# Altium PCB FlatSat Half 2.PcbDoc (part 8 of 9) (continued)
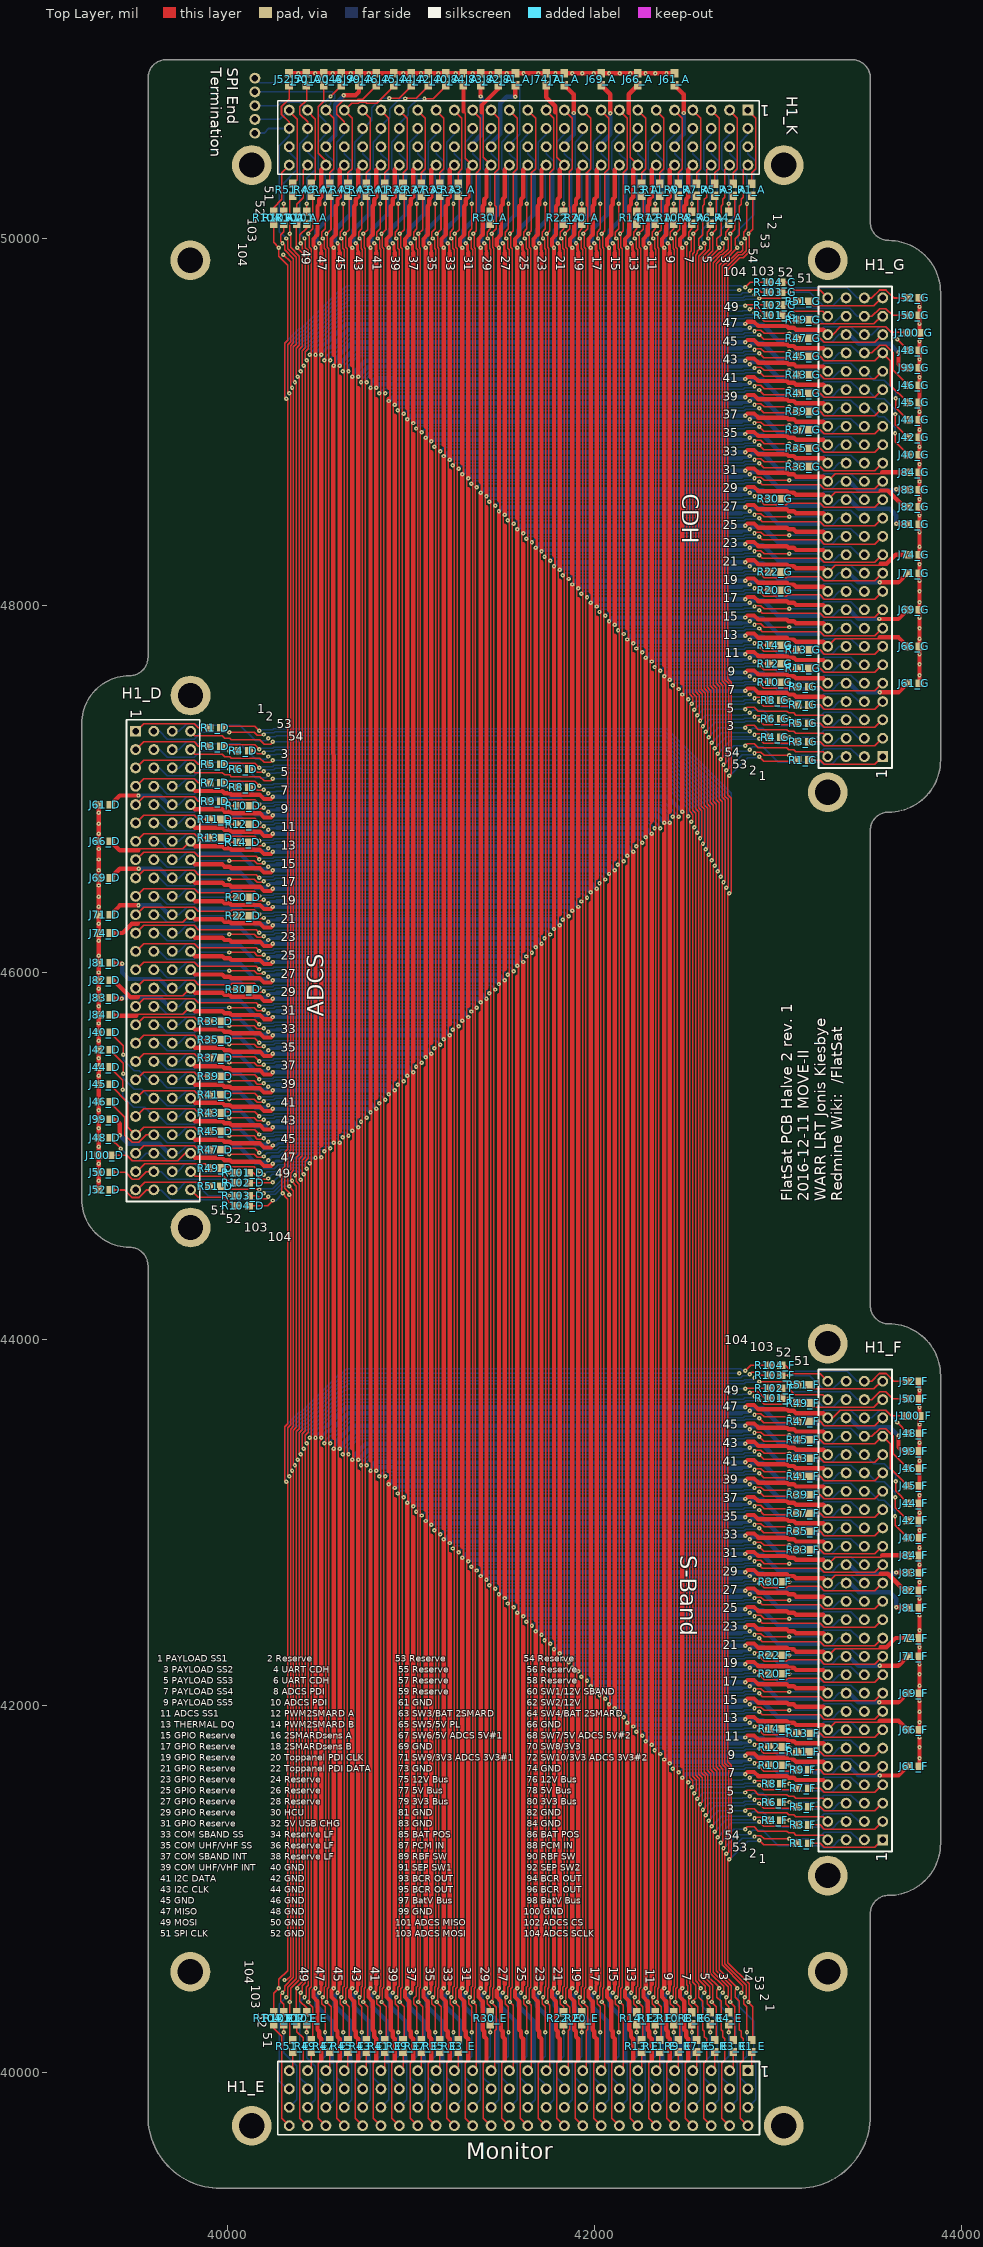
[diagram p0: Top Layer view]
## Nets (pads, with @x,y where several pads share a name; then routed paths per layer and width w, separated by ;. In a path a pad name is that pad's centre, name@x,y a point inside that pad or via, vN(x,y) a via of type N, cw(c..) or ccw(c..) an arc to the next point about the centre after c; other vN are vias at no path point) (continued)
NetH1_G_22: H1_G.22 R22_G.1 | length 486.5
  Top Layer w8: R22_G.1@43018.81,48181 v1(43062,48181)
  Bottom Layer w8: v1(43062,48181) 43216,48181 43252.47,48217.47 43398.53,48217.47 43440,48176 H1_G.22@43473,48176
NetH1_G_30: H1_G.30 R30_G.1 | length 486.5
  Top Layer w8: R30_G.1@43018.81,48581 v1(43062,48581)
  Bottom Layer w8: v1(43062,48581) 43216,48581 43252.47,48617.47 43398.53,48617.47 43440,48576 H1_G.30@43473,48576
NetH1_G_33: H1_G.33 R33_G.2 | length 427
  Top Layer w8: R33_G.2@43170.48,48756 43230.38,48756 43252.9,48733.47 43527.99,48733.47 H1_G.33@43570.52,48776
NetH1_G_35: H1_G.35 R35_G.1 | length 427
  Top Layer w8: R35_G.1@43170.48,48856 43230.38,48856 43252.9,48833.47 43527.99,48833.47 H1_G.35@43570.52,48876
NetH1_G_37: H1_G.37 R37_G.2 | length 427
  Top Layer w8: R37_G.2@43170.48,48956 43230.38,48956 43252.9,48933.47 43527.99,48933.47 H1_G.37@43570.52,48976
NetH1_G_39: H1_G.39 R39_G.2 | length 427
  Top Layer w8: R39_G.2@43170.48,49056 43230.38,49056 43252.9,49033.47 43527.99,49033.47 H1_G.39@43570.52,49076
NetH1_G_41: H1_G.41 R41_G.2 | length 427
  Top Layer w8: R41_G.2@43170.48,49156 43230.38,49156 43252.9,49133.47 43527.99,49133.47 H1_G.41@43570.52,49176
NetH1_G_43: H1_G.43 R43_G.2 | length 427
  Top Layer w8: R43_G.2@43170.48,49256 43230.38,49256 43252.9,49233.47 43527.99,49233.47 H1_G.43@43570.52,49276
NetH1_G_45: H1_G.45 J45_G.1 R45_G.2 | length 752.4
  Top Layer w8: R45_G.2@43170.48,49356 43230.38,49356 43252.9,49333.47 43527.99,49333.47 H1_G.45@43570.52,49376 ; H1_G.45@43572,49375 43613.53,49333.47 43613.53,49199.68 J45_G.1@43707.52,49105.69
NetH1_G_47: H1_G.47 R47_G.2 | length 427
  Top Layer w8: R47_G.2@43170.48,49456 43230.38,49456 43252.9,49433.47 43527.99,49433.47 H1_G.47@43570.52,49476
NetH1_G_49: H1_G.49 R49_G.2 | length 427
  Top Layer w8: R49_G.2@43170.48,49556 43193.01,49533.47 43523.05,49533.47 43565.57,49576 H1_G.49@43570.52,49576
NetH1_G_51: H1_G.51 R51_G.2 | length 427
  Top Layer w8: R51_G.2@43170.48,49656 43193.01,49633.47 43523.05,49633.47 43565.57,49676 H1_G.51@43570.52,49676
NetH1_G_101: H1_G.101 R101_G.1 | length 393.3
  Top Layer w8: R101_G.1@43010.48,49581 43048,49581 ; R101_G.1@43023.81,49581.33 R101_G.1@43033.81,49581.33
  Bottom Layer w8: v1(43062,49581) 43202,49581 43249.53,49533.47 43300.47,49533.47 43343,49576 H1_G.101@43370.52,49576
NetH1_G_102: H1_G.102 R102_G.2 | length 261.7
  Top Layer w8: R102_G.2@43033.81,49636.33 43034.14,49636 43056,49636 43091,49601 43245.52,49601 H1_G.102@43270.52,49576
NetH1_G_103: H1_G.103 R103_G.2 | length 383.7
  Top Layer w8: R103_G.2@43028,49706 R103_G.2@43038,49706 ; R103_G.2@43033.81,49706.33 v1@43051.33,49706.33
  Bottom Layer w8: v1(43062,49706) 43175,49706 43247.53,49633.47 43300.47,49633.47 43343,49676 H1_G.103@43370.52,49676
NetH1_G_104: H1_G.104 R104_G.1 | length 270.3
  Top Layer w8: R104_G.1@43040.94,49766 43046.46,49760.48 43045.52,49760.48 ; 43044.66,49760.48 43045.52,49760.48 ; 43045,49761 43045.52,49760.48 ; H1_G.104@43270.52,49676 43230.58,49715.94 43090.06,49715.94 43045.52,49760.48
PAYLOAD_SS1: R1_A.1 R1_D.1 R1_E.1 R1_F.1 R1_G.1 | length 14600.6
  Top Layer w8: R1_D.1@39965.48,47332 39965.48,47339.67 40148.33,47339.67 v1(40173,47315) ; R1_E.1@42857,40178.48 42864.67,40178.48 42864.67,40361.33 v1(42840,40386) 42840,40395 42845,40400 42845,40484.25 42728,40601.25 42728,41157 v1(42736,41165) 42747.25,41176.25 42747.25,41675.84 42728,41695.1 42728,46422 v1(42736,46430) 42745,46439 42745,46949 42728,46966 42728,47062 v1(42736,47070) 42747.25,47081.25 42747.25,47580.84 42728,47600.1 42728,49827.29 42793.71,49893 42812.25,49893 42845,49925.75 42845,50010 42840,50015 v1(42840,50024) 42864.67,50048.67 42864.67,50231.52 R1_A.1@42857,50231.52 ; v1(42898,41268) 42922.67,41243.33 43105.52,41243.33 R1_F.1@43105.52,41251 ; v1(42898,47173) 42922.67,47148.33 43105.52,47148.33 R1_G.1@43105.52,47156
  Bottom Layer w8: v1(40173,47315) 40182,47315 40187,47320 40245.78,47320 40252.78,47327 42393.63,47327 42745,46975.63 42745,46440 v1@42735,46430 ; v1@42738,41165 42836,41263 42884,41263 42889,41268 v1(42898,41268) ; v1@42738,47070 42836,47168 42884,47168 42889,47173 v1(42898,47173)
PAYLOAD_SS2: R3_A.1 R3_D.1 R3_E.1 R3_F.1 R3_G.1 | length 14437
  Top Layer w8: R3_D.1@39965.48,47232 39965.48,47239.67 40148.33,47239.67 v1(40173,47215) ; R3_E.1@42757,40178.48 42764.67,40178.48 42764.67,40361.33 v1(42740,40386) 42740,40395 42745,40400 42745,40475.2 42664,40556.2 42664,41277 v1(42672,41285) 42683.25,41296.25 42683.25,41649.33 42664,41668.59 42664,46542 v1(42672,46550) 42681,46559 42681,46922.49 42664,46939.49 42664,47182 v1(42672,47190) 42683.25,47201.25 42683.25,47554.33 42664,47573.59 42664,49860.49 42696.51,49893 42703.2,49893 42745,49934.8 42745,50010 42740,50015 v1(42740,50024) 42764.67,50048.67 42764.67,50231.52 R3_A.1@42757,50231.52 ; v1(42898,41368) 42922.67,41343.33 43105.52,41343.33 R3_F.1@43105.52,41351 ; v1(42898,47273) 42922.67,47248.33 43105.52,47248.33 R3_G.1@43105.52,47256
  Bottom Layer w8: v1(40173,47215) 40182,47215 40187,47220 40245.78,47220 40252.78,47227 42402.27,47227 42680,46949.27 42680,46582 ; v1@42671,46548 42671,46561.06 42680,46570.06 42680,46580 ; v1(42672,41285) 42750,41363 42884,41363 42889,41368 v1(42898,41368) ; v1(42672,47190) 42750,47268 42884,47268 42889,47273 v1(42898,47273)
PAYLOAD_SS3: R5_A.1 R5_D.1 R5_E.1 R5_F.1 R5_G.1 | length 14272.3
  Top Layer w8: R5_D.1@39965.48,47132 39965.48,47139.67 40148.33,47139.67 v1(40173,47115) ; R5_E.1@42657,40178.48 42664.67,40178.48 42664.67,40361.33 v1(42640,40386) 42640,40395 42645,40400 42645,40478 42600,40523 42600,41397 v1(42608,41405) 42619.25,41416.25 42619.25,41622.82 42600,41642.08 42600,46662 v1(42608,46670) 42617,46679 42617,46893.37 42600,46910.37 42600,47302 v1(42608,47310) 42619.25,47321.25 42619.25,47527.82 42600,47547.08 42600,49887 42645,49932 42645,50010 42640,50015 v1(42640,50024) 42664.67,50048.67 42664.67,50231.52 R5_A.1@42657,50231.52 ; v1(42898,41468) 42922.67,41443.33 43105.52,41443.33 R5_F.1@43105.52,41451 ; v1(42898,47373) 42922.67,47348.33 43105.52,47348.33 R5_G.1@43105.52,47356
  Bottom Layer w8: v1(40173,47115) 40182,47115 40187,47120 40245.78,47120 40252.78,47127 42411.76,47127 42616,46922.76 42616,46690.06 42608,46682.06 v1@42608,46671 ; v1(42608,41405) 42659,41456 42818.22,41456 42825.22,41463 42884,41463 42889,41468 v1(42898,41468) ; v1(42608,47310) 42659,47361 42818.22,47361 42825.22,47368 42884,47368 42889,47373 v1(42898,47373)
PAYLOAD_SS4: R7_A.1 R7_D.1 R7_E.1 R7_F.1 R7_G.1 | length 14138.5
  Top Layer w8: R7_D.1@39965.48,47032 39965.48,47039.67 40148.33,47039.67 v1(40173,47015) ; v1@42543,50031.18 v1@42543,50027 ; R7_E.1@42557,40178.48 42564.67,40178.48 42564.67,40361.33 v1(42540,40386) 42540,40395 42552,40407 42552,40478 42536,40494 42536,41517 v1(42544,41525) 42555.25,41536.25 42555.25,41596.31 42536,41615.57 42536,46782 v1(42544,46790) 42553,46799 42553,46865.57 42536,46882.57 42536,47422 v1(42544,47430) 42555.25,47441.25 42555.25,47501.31 42536,47520.57 42536,49915 42545,49924 42545,50010 42543,50012 ; R7_A.1@42557,50231.52 42564.67,50231.52 42564.67,50048.67 v1@42543,50027 ; v1(42898,41568) 42922.67,41543.33 43105.52,41543.33 R7_F.1@43105.52,41551 ; v1(42898,47473) 42922.67,47448.33 43105.52,47448.33 R7_G.1@43105.52,47456 ; 42543,50012 v1@42543,50027 ; 42543,50012 42540,50015 v1(42540,50024) v1@42543,50027
  Bottom Layer w8: v1(40173,47015) 40182,47015 40187,47020 40245.78,47020 40252.78,47027 42421.25,47027 42552,46896.25 42552,46799 v1@42543,46790 ; v1@42544,41526 42574,41556 42818.22,41556 42825.22,41563 42884,41563 42889,41568 v1(42898,41568) ; v1@42544,47431 42574,47461 42818.22,47461 42825.22,47468 42884,47468 42889,47473 v1(42898,47473)
PAYLOAD_SS5: R9_A.1 R9_D.1 R9_E.1 R9_F.1 R9_G.1 | length 14000.6
  Top Layer w8: R9_D.1@39965.48,46932 39965.48,46939.67 40148.33,46939.67 v1(40173,46915) ; R9_E.1@42457,40178.48 42464.67,40178.48 42464.67,40361.33 v1(42440,40386) 42440,40395 42445,40400 42445,40458.78 42452,40465.78 42452,49944.22 42445,49951.22 42445,50010 42440,50015 v1(42440,50024) 42464.67,50048.67 42464.67,50231.52 R9_A.1@42459,50231.52 ; R9_A.1@42457,50231.52 R9_A.1@42459,50231.52 ; R9_A.1@42459,50231.04 R9_A.1@42459,50231.52 ; v1(42898,41668) 42922.67,41643.33 43105.52,41643.33 R9_F.1@43105.52,41651 ; v1(42898,47573) 42922.67,47548.33 43105.52,47548.33 R9_G.1@43105.52,47556
  Bottom Layer w8: v1(40173,46915) 40182,46915 40187,46920 40245.78,46920 40252.78,46927 42382,46927 v1@42460,46849 ; v1(42460,41638) 42478,41656 42818.22,41656 42825.22,41663 42884,41663 42889,41668 v1(42898,41668) ; v1(42460,47543) 42478,47561 42818.22,47561 42825.22,47568 42884,47568 42889,47573 v1(42898,47573)
  other v1: 42460,46847
PCM_IN_1: H1_D.87 H1_E.87 H1_F.87 H1_G.87 H1_K.87 | length 16983.1
  Top Layer w8: 41112,42928 41104,42936 41104,42980 v1(41112,42988) ; v1(41112,45555) 41104,45563 41104,45607 41112,45615 ; 41112,48833 41104,48841 41104,48885 v1(41112,48893)
  Top Layer w16: v1(41100,40436) 41109,40445 41109,40475 41112,40478 41112,40483 ; v1(41100,49974) 41109,49965 41109,49935 41112,49932 41112,49927
  Top Layer w24: 41112,40483 41112,42928 ; v1(41112,42988) v1(41112,45555) ; 41112,45615 41112,48833 ; v1(41112,48893) 41112,49922
  Bottom Layer w8: H1_D.87@39698,45612 39735,45612 39777.53,45654.53 39823.47,45654.53 39833,45645 39848,45645 ; H1_E.87@41137,39812 41178.53,39853.53 41178.53,40052.47 41170,40061 ; H1_K.87@41137,50499 41137,50462 41178.53,50420.47 41178.53,50372.53 41170,50364 41170,50349 ; 43223,42938 43238,42938 43247.53,42928.47 43293.47,42928.47 43336,42971 H1_F.87@43373,42971 ; 43223,48843 43238,48843 43247.53,48833.47 43293.47,48833.47 43336,48876 H1_G.87@43373,48876
  Bottom Layer w16: v1(40223,45575) 40232,45584 40262,45584 ; 40265,45587 40270,45587 ; 42801,42996 42806,42996 ; 42801,48901 42806,48901 ; 42809,42999 42839,42999 v1(42848,43008) ; 42809,48904 42839,48904 v1(42848,48913)
  Bottom Layer w22: 40208,45560 v1(40223,45575) ; 41085,40421 v1(41100,40436) ; 41085,49989 v1(41100,49974) ; v1(42848,43008) 42863,43023 ; v1(42848,48913) 42863,48928
  Bottom Layer w24: 39848,45645 40068,45645 40153,45560 40208,45560 ; 40270,45587 41080,45587 v1(41112,45555) ; 41085,40421 41085,40366 41170,40281 41170,40061 ; 41085,49989 41085,50044 41170,50129 41170,50349 ; v1(41112,42988) 41120,42996 42801,42996 ; v1(41112,48893) 41120,48901 42801,48901 ; 42863,43023 42918,43023 43003,42938 43223,42938 ; 42863,48928 42918,48928 43003,48843 43223,48843
PCM_IN_2: H1_D.88 H1_E.88 H1_F.88 H1_G.88 H1_K.88 | length 16538
  Top Layer w8: 41112,40069 41095.47,40052.47 41095.47,39753.53 H1_E.88@41137,39712
  Top Layer w12: v1@41080,43009 41086,43015 41086,43062 41080,43068 ; 41080,45475 41086,45481 41086,45529 v1(41080,45535) ; v1@41080,48914 41086,48920 41086,48967 41080,48973
  Top Layer w22: 40177,45566 40200,45543 40236.25,45543 v1@40248.13,45554.87 ; v1@41079.87,40461.13 41068,40449.25 41068,40413 41091,40390 ; v1@41079.87,49948.87 41068,49960.75 41068,49997 41091,50020 ; v1(41080,43008) v1@41080,43009 ; v1(41080,48913) v1@41080,48914 ; 42834.75,43040 42871,43040 42894,43017 ; 42834.75,48945 42871,48945 42894,48922
  Top Layer w24: H1_D.88@39798,45612 39823,45587 39972,45587 39984,45575 40012.6,45575 40021.6,45566 40177,45566 ; v1(41080,40461) v1(41080,43008) ; 41080,43068 41080,45475 ; v1(41080,45535) v1(41080,48913) ; 41080,48973 v1@41080,49944 ; 41091,40390 41091,40234.6 41100,40225.6 41100,40197 41112,40185 41112,40069 ; 41091,50020 41091,50175.4 41100,50184.4 41100,50213 41112,50225 41112,50374 H1_K.88@41137,50399 ; 42894,43017 43049.4,43017 43058.4,43008 43087,43008 43099,42996 43248,42996 H1_F.88@43273,42971 ; 42894,48922 43049.4,48922 43058.4,48913 43087,48913 43099,48901 43248,48901 H1_G.88@43273,48876
  Bottom Layer w24: v1(40248,45555) 41060,45555 v1(41080,45535) ; v1(41080,43008) 41100,43028 v1(42823,43028) ; v1(41080,48913) 41100,48933 v1(42823,48933)
  other v1: 41080,49949
PWM2SMARD_A: R12_A.2 R12_D.2 R12_E.2 R12_F.2 R12_G.2 | length 13314.3
  Top Layer w8: R12_D.2@40117.15,46807 R12_D.2@40117.48,46807 40146,46807 40163,46790 40193,46790 v1(40198,46795) ; R12_E.2@42332,40330.15 R12_E.2@42332,40330.48 42332,40359 42315,40376 42315,40406 v1(42320,40411) 42329,40420 42329,40465.41 42336,40472.41 42336,49937.59 42329,49944.59 42329,49990 v1(42320,49999) 42315,50004 42315,50034 42332,50051 R12_A.2@42332,50079.52 R12_A.2@42332,50079.85 ; v1(42873,41788) 42878,41793 42908,41793 42925,41776 R12_F.2@42953.52,41776 R12_F.2@42953.85,41776 ; v1(42873,47693) 42878,47698 42908,47698 42925,47681 R12_G.2@42953.52,47681 R12_G.2@42953.85,47681
  Bottom Layer w8: v1(40198,46795) 40207,46804 40252.41,46804 40259.41,46811 42303,46811 v1@42329,46785 ; v1(42328,41758) 42342,41772 42811.59,41772 42818.59,41779 42864,41779 v1(42873,41788) ; v1(42328,47663) 42342,47677 42811.59,47677 42818.59,47684 42864,47684 v1(42873,47693)
  other v1: 42328,46785
PWM2SMARD_B: R14_A.2 R14_D.2 R14_E.2 R14_F.2 R14_G.2 | length 13410.5
  Top Layer w8: R14_D.2@40117.15,46707 40146,46707 40163,46690 40193,46690 v1(40198,46695) ; R14_E.2@42232,40330.15 42232,40359 42215,40376 42215,40406 v1(42220,40411) 42229,40420 42229,40465.41 42236,40472.41 42236,49937.59 42229,49944.59 42229,49990 v1(42220,49999) 42215,50004 42215,50034 42232,50051 R14_A.2@42232,50079.85 ; v1(42873,41888) 42878,41893 42908,41893 42925,41876 R14_F.2@42953.85,41876 ; v1(42873,47793) 42878,47798 42908,47798 42925,47781 R14_G.2@42953.85,47781
  Bottom Layer w8: v1(40198,46695) 40207,46704 40252.41,46704 40259.41,46711 42202,46711 v1(42228,46685) ; v1(42229,41859) 42242,41872 42811.59,41872 42818.59,41879 42864,41879 v1(42873,41888) ; v1(42229,47764) 42242,47777 42811.59,47777 42818.59,47784 42864,47784 v1(42873,47793)
RBF_SW_1: H1_D.89 H1_E.89 H1_F.89 H1_G.89 H1_K.89 | length 17083.1
  Top Layer w8: 41012,43028 41004,43036 41004,43080 v1(41012,43088) ; v1(41012,45455) 41004,45463 41004,45507 41012,45515 ; 41012,48933 41004,48941 41004,48985 v1(41012,48993)
  Top Layer w16: v1(41000,40436) 41009,40445 41009,40475 41012,40478 41012,40483 ; v1(41000,49974) 41009,49965 41009,49935 41012,49932 41012,49927
  Top Layer w24: 41012,40483 41012,43028 ; v1(41012,43088) v1(41012,45455) ; 41012,45515 41012,48933 ; v1(41012,48993) 41012,49922
  Bottom Layer w8: H1_D.89@39698,45512 39735,45512 39777.53,45554.53 39823.47,45554.53 39833,45545 39848,45545 ; H1_E.89@41037,39812 41078.53,39853.53 41078.53,40052.47 41070,40061 ; H1_K.89@41037,50499 41037,50462 41078.53,50420.47 41078.53,50372.53 41070,50364 41070,50349 ; 43223,43038 43238,43038 43247.53,43028.47 43293.47,43028.47 43336,43071 H1_F.89@43373,43071 ; 43223,48943 43238,48943 43247.53,48933.47 43293.47,48933.47 43336,48976 H1_G.89@43373,48976
  Bottom Layer w16: v1(40223,45475) 40232,45484 40262,45484 ; 40265,45487 40270,45487 ; 42801,43096 42806,43096 ; 42801,49001 42806,49001 ; 42809,43099 42839,43099 v1(42848,43108) ; 42809,49004 42839,49004 v1(42848,49013)
  Bottom Layer w22: 40208,45460 v1(40223,45475) ; 40985,40421 v1(41000,40436) ; 40985,49989 v1(41000,49974) ; v1(42848,43108) 42863,43123 ; v1(42848,49013) 42863,49028
  Bottom Layer w24: 39848,45545 40068,45545 40153,45460 40208,45460 ; 40270,45487 40980,45487 v1(41012,45455) ; 40985,40421 40985,40366 41070,40281 41070,40061 ; 40985,49989 40985,50044 41070,50129 41070,50349 ; v1(41012,43088) 41020,43096 42801,43096 ; v1(41012,48993) 41020,49001 42801,49001 ; 42863,43123 42918,43123 43003,43038 43223,43038 ; 42863,49028 42918,49028 43003,48943 43223,48943
RBF_SW_2: H1_D.90 H1_E.90 H1_F.90 H1_G.90 H1_K.90 | length 16671.6
  Top Layer w8: 41012,40069 40995.47,40052.47 40995.47,39753.53 H1_E.90@41037,39712
  Top Layer w12: v1@40980,43107 40986,43113 40986,43162 40980,43168 ; 40980,45375 40986,45381 40986,45429 v1(40980,45435) ; v1@40980,49012 40986,49018 40986,49067 40980,49073
  Top Layer w22: 40177,45466 40200,45443 40236.25,45443 v1@40248.13,45454.87 ; v1@40979.87,40461.13 40968,40449.25 40968,40413 40991,40390 ; v1@40979.87,49948.87 40968,49960.75 40968,49997 40991,50020 ; v1@42822.87,43128.13 42834.75,43140 42871,43140 42894,43117 ; v1@42822.87,49033.13 42834.75,49045 42871,49045 42894,49022
  Top Layer w24: H1_D.90@39798,45512 39823,45487 39972,45487 39984,45475 40012.6,45475 40021.6,45466 40177,45466 ; v1(40980,40461) v1@40980,43107 ; 40980,43168 40980,45375 ; v1(40980,45435) v1@40980,49012 ; 40980,49073 v1@40980,49944 ; 40991,40390 40991,40234.6 41000,40225.6 41000,40197 41012,40185 41012,40069 ; 40991,50020 40991,50175.4 41000,50184.4 41000,50213 41012,50225 41012,50374 H1_K.90@41037,50399 ; 42894,43117 43049.4,43117 43058.4,43108 43087,43108 43099,43096 43248,43096 H1_F.90@43273,43071 ; 42894,49022 43049.4,49022 43058.4,49013 43087,49013 43099,49001 43248,49001 H1_G.90@43273,48976
  Bottom Layer w24: v1(40248,45455) 40960,45455 v1(40980,45435) ; v1(40980,43108) 41000,43128 v1(42823,43128) ; v1(40980,49013) 41000,49033 v1(42823,49033)
  other v1: 40980,49949
RESERVED_1: H1_D.2 H1_E.2 H1_F.2 H1_G.2 H1_K.2 | length 16426.8
  Top Layer w8: v1(40009,47307) 40146,47307 40163,47290 40193,47290 v1(40198,47295) ; v1(42832,40222) 42832,40359 42815,40376 42815,40406 v1(42820,40411) 42829,40420 42829,40477.63 42712,40594.63 42712,41187 v1(42720,41195) 42731.25,41206.25 42731.25,41669.22 42712,41688.47 42712,46452 v1(42720,46460) 42729,46469 42729,46942.37 42712,46959.37 42712,47092 v1(42720,47100) 42731.25,47111.25 42731.25,47574.22 42712,47593.47 42712,49833.92 42787.08,49909 42805.63,49909 42829,49932.37 42829,49990 v1(42820,49999) 42815,50004 42815,50034 42832,50051 v1(42832,50188) ; v1(42873,41288) 42878,41293 42908,41293 42925,41276 v1(43062,41276) ; v1(42873,47193) 42878,47198 42908,47198 42925,47181 v1(43062,47181)
  Bottom Layer w8: H1_D.2@39598,47312 39631,47312 39672.47,47270.53 39818.53,47270.53 39855,47307 v1(40009,47307) ; v1(40198,47295) 40207,47304 40252.41,47304 40259.41,47311 42387,47311 42729,46969 42729,46469 v1(42720,46460) ; v1@42722,41195 42806,41279 42864,41279 v1(42873,41288) ; v1@42722,47100 42806,47184 42864,47184 v1(42873,47193) ; v1(42832,40222) 42832,40089 42795.47,40052.47 42795.47,39972.53 42837,39931 H1_E.2@42837,39912 ; v1(42832,50188) 42832,50342 42795,50379 42795,50524 42837,50566 H1_K.2@42837,50599 ; v1(43062,41276) 43216,41276 43252.47,41312.47 43398.53,41312.47 43440,41271 H1_F.2@43473,41271 ; v1(43062,47181) 43216,47181 43252.47,47217.47 43398.53,47217.47 43440,47176 H1_G.2@43473,47176
RESERVED_2: H1_D.53 H1_E.53 H1_F.53 H1_G.53 H1_K.53 | length 16198.3
  Top Layer w8: v1(42800,40436) 42809,40445 42809,40475 42696,40588 42696,41217 v1(42704,41225) 42715.25,41236.25 42715.25,41662.59 42696,41681.84 42696,46482 v1(42704,46490) 42713,46499 42713,46935.75 42696,46952.75 42696,47122 v1(42704,47130) 42715.25,47141.25 42715.25,47567.59 42696,47586.84 42696,49846.37 42710.63,49861 42716.45,49861 42780.45,49925 42799,49925 42809,49935 42809,49965 v1(42800,49974)
  Bottom Layer w8: H1_D.53@39698,47312 39735,47312 39778,47355 39823,47355 39833,47345 40068,47345 40153,47260 40208,47260 v1(40223,47275) 40232,47284 40262,47284 40265,47287 42387.53,47287 42712,46962.53 42712,46497 v1@42705,46490 ; v1(42704,41225) 42778,41299 42839,41299 v1(42848,41308) 42863,41323 42918,41323 43003,41238 43238,41238 43248,41228 43293,41228 43336,41271 H1_F.53@43373,41271 ; v1(42704,47130) 42778,47204 42839,47204 v1(42848,47213) 42863,47228 42918,47228 43003,47143 43238,47143 43248,47133 43293,47133 43336,47176 H1_G.53@43373,47176 ; v1(42800,40436) 42785,40421 42785,40366 42870,40281 42870,40061 42878.53,40052.47 42878.53,39853.53 H1_E.53@42837,39812 ; v1(42800,49974) 42785,49989 42785,50044 42870,50129 42870,50364 42878.53,50372.53 42878.53,50420.47 42837,50462 H1_K.53@42837,50499
RESERVED_3: H1_D.55 H1_E.55 H1_F.55 H1_G.55 H1_K.55 | length 16027.9
  Top Layer w8: v1(42700,40436) 42709,40445 42704,40450 42704,40470.94 42632,40542.94 42632,41337 v1(42640,41345) 42651.25,41356.25 42651.25,41636.08 42632,41655.33 42632,46602 v1(42640,46610) 42649,46619 42649,46908.37 42632,46925.37 42632,47242 v1(42640,47250) 42651.25,47261.25 42651.25,47541.08 42632,47560.33 42632,49873.75 42683.25,49925 42689.94,49925 42704,49939.06 42704,49960 42709,49965 v1(42700,49974)
  Bottom Layer w8: H1_D.55@39698,47212 39735,47212 39777.53,47254.53 39823.47,47254.53 39833,47245 40068,47245 40153,47160 40208,47160 v1(40223,47175) 40232,47184 40262,47184 40265,47187 42397.02,47187 42648,46936.02 42648,46618 v1(42640,46610) ; v1(42640,41345) 42694,41399 42839,41399 v1(42848,41408) 42863,41423 42918,41423 43003,41338 43238,41338 43247.53,41328.47 43293.47,41328.47 43336,41371 H1_F.55@43373,41371 ; v1(42640,47250) 42694,47304 42839,47304 v1(42848,47313) 42863,47328 42918,47328 43003,47243 43238,47243 43247.53,47233.47 43293.47,47233.47 43336,47276 H1_G.55@43373,47276 ; v1(42700,40436) 42685,40421 42685,40366 42770,40281 42770,40061 42778.53,40052.47 42778.53,39853.53 H1_E.55@42737,39812 ; v1(42700,49974) 42685,49989 42685,50044 42770,50129 42770,50364 42778.53,50372.53 42778.53,50420.47 42737,50462 H1_K.55@42737,50499
RESERVED_4: H1_D.57 H1_E.57 H1_F.57 H1_G.57 H1_K.57 | length 15861.4
  Top Layer w8: v1(42600,40436) 42609,40445 42604,40450 42604,40472.25 42568,40508.25 42568,41457 v1(42576,41465) 42587.25,41476.25 42587.25,41609.57 42568,41628.82 42568,46722 v1(42576,46730) 42585,46739 42585,46880.12 42568,46897.12 42568,47362 v1(42576,47370) 42587.25,47381.25 42587.25,47514.57 42568,47533.82 42568,49901.75 42604,49937.75 42604,49960 42609,49965 v1(42600,49974)
  Bottom Layer w8: H1_D.57@39698,47112 39735,47112 39777.53,47154.53 39823.47,47154.53 39833,47145 40068,47145 40153,47060 40208,47060 v1(40223,47075) 40232,47084 40262,47084 40265,47087 42406.51,47087 42584,46909.51 42584,46739 v1@42577,46732 ; v1@42576,41466 42606,41496 42806,41496 42809,41499 42839,41499 v1(42848,41508) 42863,41523 42918,41523 43003,41438 43238,41438 43247.53,41428.47 43293.47,41428.47 43336,41471 H1_F.57@43373,41471 ; v1@42576,47371 42606,47401 42806,47401 42809,47404 42839,47404 v1(42848,47413) 42863,47428 42918,47428 43003,47343 43238,47343 43247.53,47333.47 43293.47,47333.47 43336,47376 H1_G.57@43373,47376 ; v1(42600,40436) 42585,40421 42585,40366 42670,40281 42670,40061 42678.53,40052.47 42678.53,39853.53 H1_E.57@42637,39812 ; v1(42600,49974) 42585,49989 42585,50044 42670,50129 42670,50364 42678.53,50372.53 42678.53,50420.47 42637,50462 H1_K.57@42637,50499
RESERVED_5: H1_D.59 H1_E.59 H1_F.59 H1_G.59 H1_K.59 | length 15678
  Top Layer w8: v1(42500,40436) 42509,40445 42509,40475 42504,40480 42504,41575 v1(42512,41583) 42504,41591 42504,46842 v1(42512,46850) 42504,46858 42504,47480 v1(42512,47488) 42504,47496 v1@42504,49970 ; v1(42500,49974) v1@42503,49971 ; v1@42503,49969 v1@42503,49971 ; v1@42504,49974 v1@42504,49970 ; v1@42503,49971 v1@42504,49970
  Bottom Layer w8: H1_D.59@39698,47012 39735,47012 39777.53,47054.53 39823.47,47054.53 39833,47045 40068,47045 40153,46960 40208,46960 v1(40223,46975) 40232,46984 40262,46984 40265,46987 42416,46987 42512,46891 v1(42512,46850) ; v1(42500,40436) 42485,40421 42485,40366 42570,40281 42570,40061 42578.53,40052.47 42578.53,39853.53 H1_E.59@42537,39812 ; v1(42500,49974) 42485,49989 42485,50044 42570,50129 42570,50364 42578.53,50372.53 42578.53,50420.47 42537,50462 H1_K.59@42537,50499 ; v1@42511,41583 42524,41596 42806,41596 42809,41599 42839,41599 v1(42848,41608) 42863,41623 42918,41623 43003,41538 43238,41538 43247.53,41528.47 43293.47,41528.47 43336,41571 H1_F.59@43373,41571 ; v1@42511,47488 42524,47501 42806,47501 42809,47504 42839,47504 v1(42848,47513) 42863,47528 42918,47528 43003,47443 43238,47443 43247.53,47433.47 43293.47,47433.47 43336,47476 H1_G.59@43373,47476
RESERVED_6: H1_D.54 H1_E.54 H1_F.54 H1_G.54 H1_K.54 | length 15692.6
  Top Layer w8: H1_D.54@39798,47312 39823,47287 39972,47287 39984,47275 40012.6,47275 40021.6,47266 40177,47266 40200,47243 40236.25,47243 v1@40248.13,47254.87 ; v1@42779.87,40461.13 42768,40449.25 42768,40413 42791,40390 42791,40234.6 42800,40225.6 42800,40197 42812,40185 42812,40069 42795.47,40052.47 42795.47,39753.53 H1_E.54@42837,39712 ; v1@42779.87,49948.87 42768,49960.75 42768,49997 42791,50020 42791,50175.4 42800,50184.4 42800,50213 42812,50225 42812,50374 H1_K.54@42837,50399 ; v1(42780,40461) 42780,40462.82 42680,40562.82 42680,41247 v1(42688,41255) 42699.25,41266.25 42699.25,41655.96 42680,41675.22 42680,46512 v1(42688,46520) 42697,46529 42697,46929.12 42680,46946.12 42680,47152 v1(42688,47160) 42699.25,47171.25 42699.25,47560.96 42680,47580.22 42680,49853 42704,49877 42709.82,49877 42780,49947.18 v1(42780,49949) ; v1@42822.87,41328.13 42834.75,41340 42871,41340 42894,41317 43049.4,41317 43058.4,41308 43087,41308 43099,41296 43248,41296 H1_F.54@43273,41271 ; v1@42822.87,47233.13 42834.75,47245 42871,47245 42894,47222 43049.4,47222 43058.4,47213 43087,47213 43099,47201 43248,47201 H1_G.54@43273,47176
  Bottom Layer w8: v1(40248,47255) 42396.9,47255 42696,46955.9 42696,46540.06 42688,46532.06 v1(42688,46520) ; v1(42688,41255) 42761,41328 v1(42823,41328) ; v1(42688,47160) 42761,47233 v1(42823,47233)
RESERVED_7: H1_D.56 H1_E.56 H1_F.56 H1_G.56 H1_K.56 | length 15532.2
  Top Layer w8: H1_D.56@39798,47212 39823,47187 39972,47187 39984,47175 40012.6,47175 40021.6,47166 40177,47166 40200,47143 40236.25,47143 v1@40248.13,47154.87 ; v1@42679.87,40461.13 42668,40449.25 42668,40413 42691,40390 42691,40234.6 42700,40225.6 42700,40197 42712,40185 42712,40069 42695.47,40052.47 42695.47,39753.53 H1_E.56@42737,39712 ; v1@42679.87,49948.87 42668,49960.75 42668,49997 42691,50020 42691,50175.4 42700,50184.4 42700,50213 42712,50225 42712,50374 H1_K.56@42737,50399 ; v1(42680,40461) 42680,40465.63 42616,40529.63 42616,41367 v1(42624,41375) 42635.25,41386.25 42635.25,41629.45 42616,41648.71 42616,46632 v1(42624,46640) 42633,46649 42633,46900 42616,46917 42616,47272 v1(42624,47280) 42635.25,47291.25 42635.25,47534.45 42616,47553.71 42616,49880.37 42680,49944.37 v1(42680,49949) ; v1@42822.87,41428.13 42834.75,41440 42871,41440 42894,41417 43049.4,41417 43058.4,41408 43087,41408 43099,41396 43248,41396 H1_F.56@43273,41371 ; v1@42822.87,47333.13 42834.75,47345 42871,47345 42894,47322 43049.4,47322 43058.4,47313 43087,47313 43099,47301 43248,47301 H1_G.56@43273,47276
  Bottom Layer w8: v1(40248,47155) 42406.39,47155 42632,46929.39 42632,46660.06 42624,46652.06 v1(42624,46640) ; v1(42624,41375) 42624,41377 42675,41428 v1(42823,41428) ; v1(42624,47280) 42624,47282 42675,47333 v1(42823,47333)